# KiCad board 32-channel_current_source.kicad_pcb
title: 32-Channel Programmable Current Source; date: 2023-06-30; rev: 1; company: ETH Zürich; note: Maximilian Stabel; note: Enclosure: Hammond 1590Z150
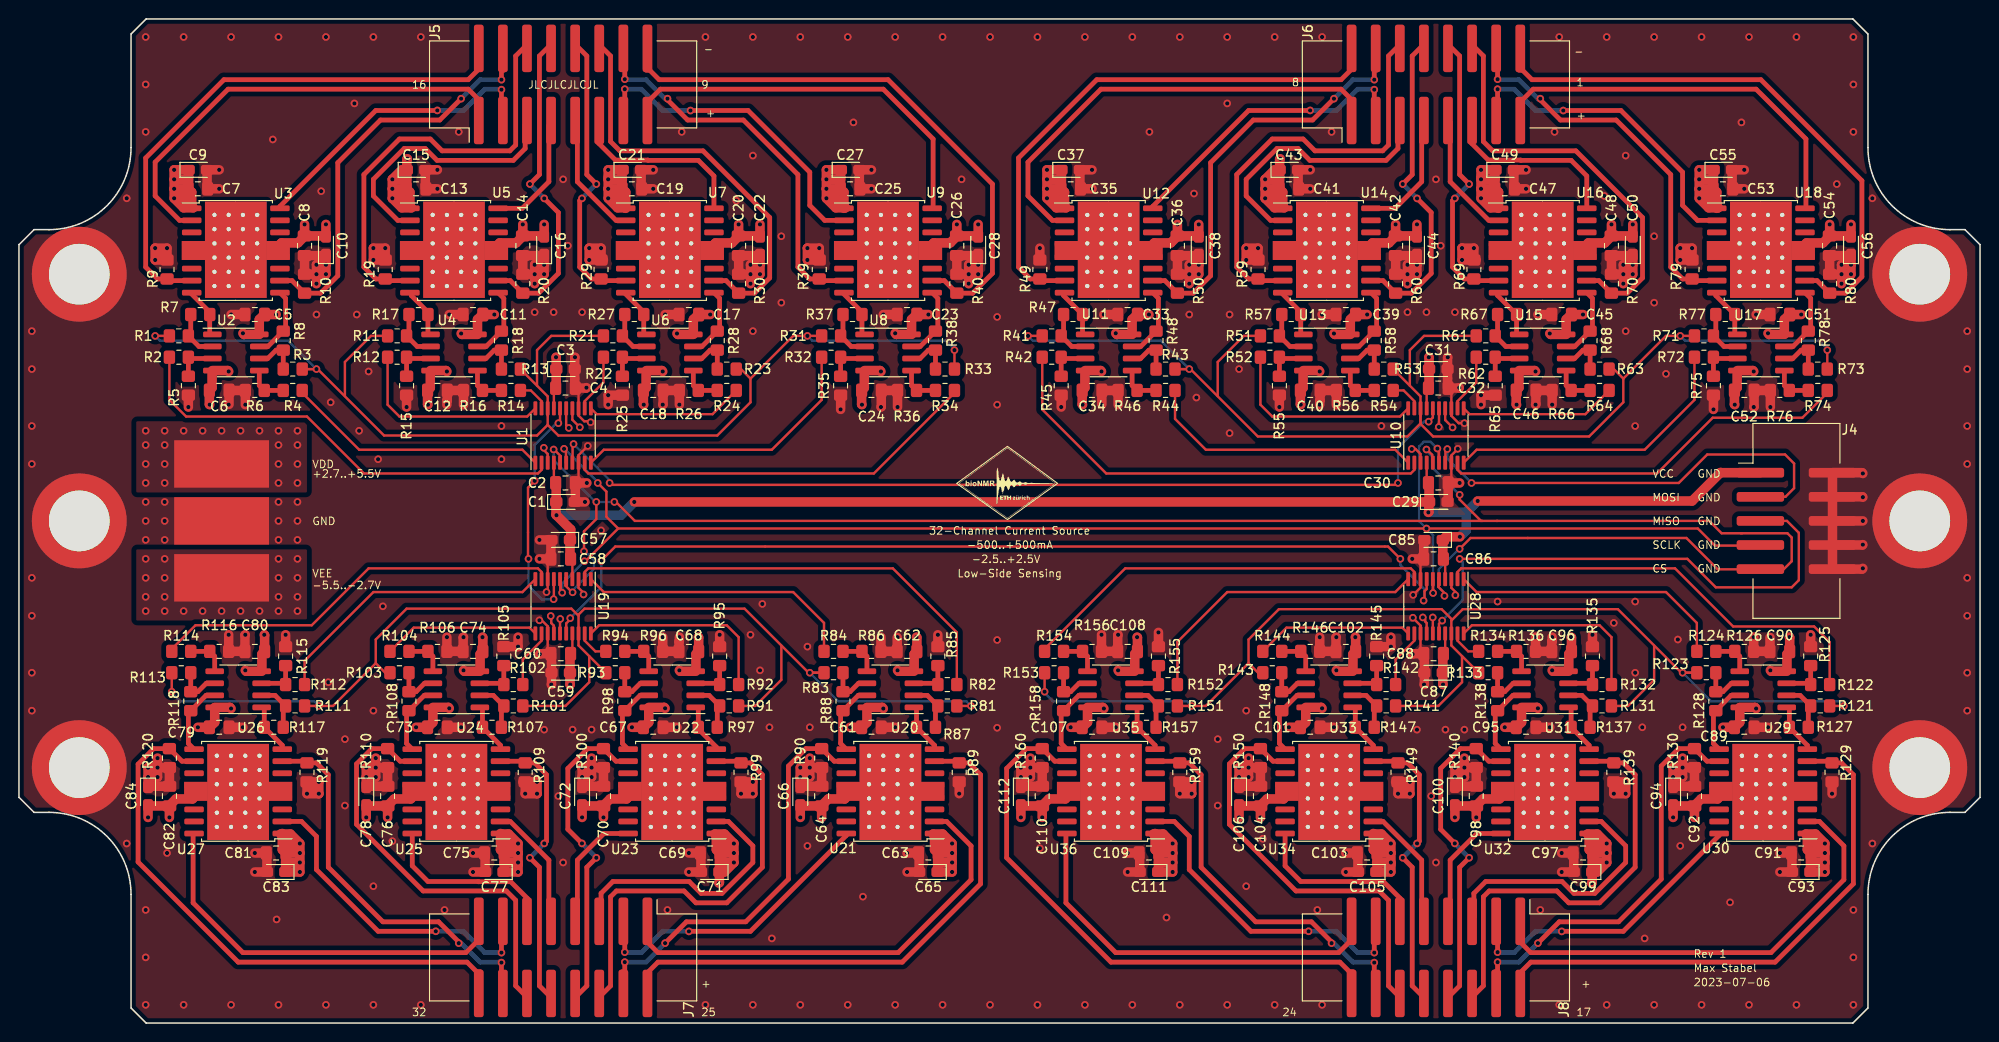
[diagram p0: board, top side]
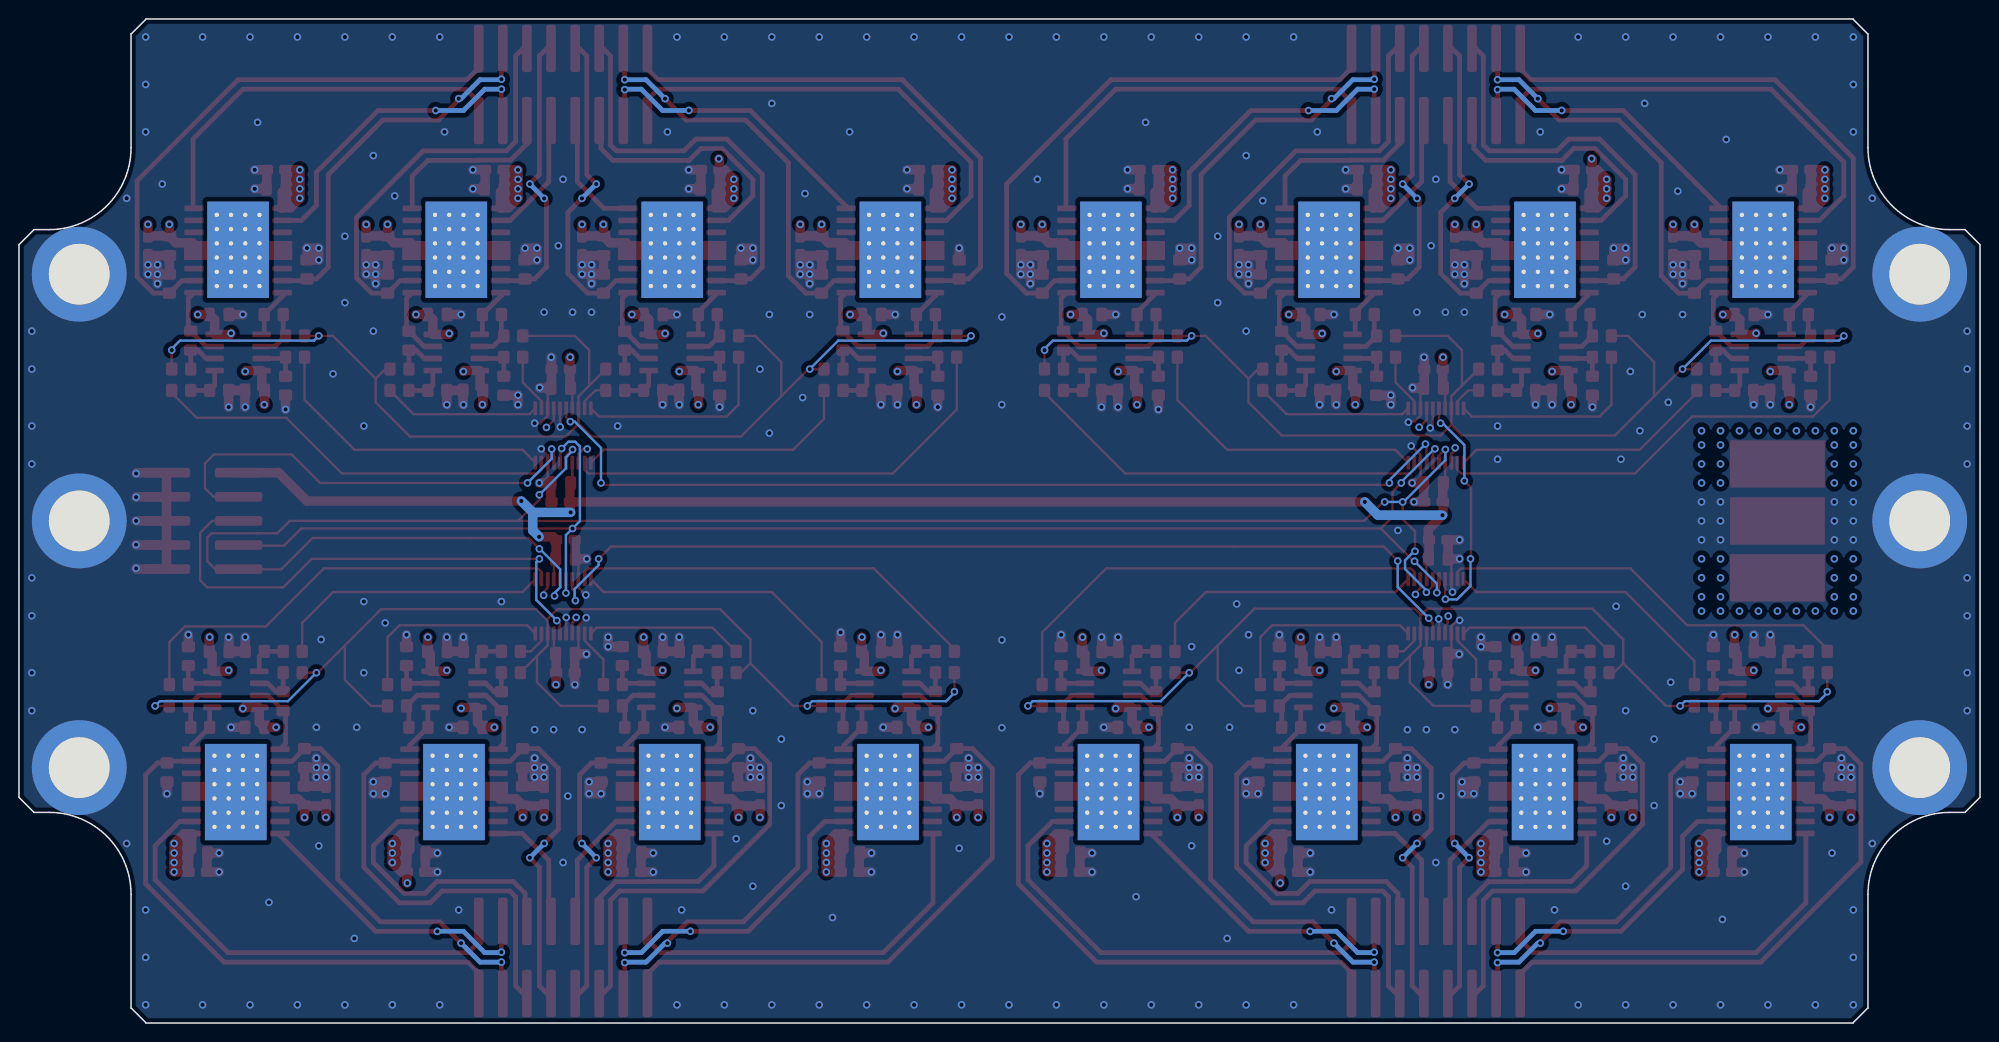
[diagram p1: board, bottom side, seen from below]

Outline 206.71 x 105.82 mm; copper layers: Front, In1.Cu, In2.Cu, Back. Coordinates in mm from the lower left corner of the outline.
Outline path: 0,82.03 1.59,83.62 3.18,83.62 arc(9.28,86.15) 11.81,92.25 11.81,104.23 13.4,105.82 193.31,105.82 194.89,104.23 194.9,92.25 arc(197.42,86.15) 203.53,83.62 205.12,83.62 206.71,82.03 206.71,23.79 205.12,22.2 203.53,22.2 arc(197.42,19.67) 194.9,13.56 194.89,1.59 193.31,0 13.4,0 11.81,1.59 11.81,13.56 arc(9.28,19.67) 3.18,22.2 1.59,22.2 0,23.79 0,82.03
Stack: Front 0.035mm / dielectric 0.1mm FR4 er 4.5 / In1.Cu 0.035mm / dielectric 1.24mm FR4 er 4.5 / In2.Cu 0.035mm / dielectric 0.1mm FR4 er 4.5 / Back 0.035mm

## Placement (name value [footprint] x y rotation side)
C1  10u  [CP_EIA-2012-15_AVX-P_Pad1.30x1.05mm_HandSolder]  57.61 54.92 0 top
C2  100n  [C_0805_2012Metric_Pad1.18x1.45mm_HandSolder]  57.61 56.92 0 top
C3  10u  [CP_EIA-2012-15_AVX-P_Pad1.30x1.05mm_HandSolder]  57.61 68.92 0 top
C4  100n  [C_0805_2012Metric_Pad1.18x1.45mm_HandSolder]  57.61 66.92 0 top
C5  100n  [C_0805_2012Metric_Pad1.18x1.45mm_HandSolder]  24.86 74.67 180 top
C6  100n  [C_0805_2012Metric_Pad1.18x1.45mm_HandSolder]  21.11 66.67 180 top
C7  100n  [C_0805_2012Metric_Pad1.18x1.45mm_HandSolder]  18.86 87.92 0 top
C8  100n  [C_0805_2012Metric_Pad1.18x1.45mm_HandSolder]  30.11 81.92 90 top
C9  10u  [CP_EIA-2012-15_AVX-P_Pad1.30x1.05mm_HandSolder]  18.86 89.92 0 top
C10  10u  [CP_EIA-2012-15_AVX-P_Pad1.30x1.05mm_HandSolder]  32.36 81.92 90 top
C11  100n  [C_0805_2012Metric_Pad1.18x1.45mm_HandSolder]  47.86 74.67 180 top
C12  100n  [C_0805_2012Metric_Pad1.18x1.45mm_HandSolder]  44.11 66.67 180 top
C13  100n  [C_0805_2012Metric_Pad1.18x1.45mm_HandSolder]  41.86 87.92 0 top
C14  100n  [C_0805_2012Metric_Pad1.18x1.45mm_HandSolder]  53.11 81.92 90 top
C15  10u  [CP_EIA-2012-15_AVX-P_Pad1.30x1.05mm_HandSolder]  41.86 89.92 0 top
C16  10u  [CP_EIA-2012-15_AVX-P_Pad1.30x1.05mm_HandSolder]  55.36 81.92 90 top
C17  100n  [C_0805_2012Metric_Pad1.18x1.45mm_HandSolder]  70.61 74.67 180 top
C18  100n  [C_0805_2012Metric_Pad1.18x1.45mm_HandSolder]  66.86 66.67 180 top
C19  100n  [C_0805_2012Metric_Pad1.18x1.45mm_HandSolder]  64.61 87.92 0 top
C20  100n  [C_0805_2012Metric_Pad1.18x1.45mm_HandSolder]  75.86 81.92 90 top
C21  10u  [CP_EIA-2012-15_AVX-P_Pad1.30x1.05mm_HandSolder]  64.61 89.92 0 top
C22  10u  [CP_EIA-2012-15_AVX-P_Pad1.30x1.05mm_HandSolder]  78.11 81.92 90 top
C23  100n  [C_0805_2012Metric_Pad1.18x1.45mm_HandSolder]  93.61 74.67 180 top
C24  100n  [C_0805_2012Metric_Pad1.18x1.45mm_HandSolder]  89.86 66.67 180 top
C25  100n  [C_0805_2012Metric_Pad1.18x1.45mm_HandSolder]  87.61 87.92 0 top
C26  100n  [C_0805_2012Metric_Pad1.18x1.45mm_HandSolder]  98.86 81.92 90 top
C27  10u  [CP_EIA-2012-15_AVX-P_Pad1.30x1.05mm_HandSolder]  87.61 89.92 0 top
C28  10u  [CP_EIA-2012-15_AVX-P_Pad1.30x1.05mm_HandSolder]  101.11 81.92 90 top
C29  10u  [CP_EIA-2012-15_AVX-P_Pad1.30x1.05mm_HandSolder]  149.61 54.92 0 top
C30  100n  [C_0805_2012Metric_Pad1.18x1.45mm_HandSolder]  149.61 56.92 0 top
C31  10u  [CP_EIA-2012-15_AVX-P_Pad1.30x1.05mm_HandSolder]  149.61 68.92 0 top
C32  100n  [C_0805_2012Metric_Pad1.18x1.45mm_HandSolder]  149.61 66.92 0 top
C33  100n  [C_0805_2012Metric_Pad1.18x1.45mm_HandSolder]  116.86 74.67 180 top
C34  100n  [C_0805_2012Metric_Pad1.18x1.45mm_HandSolder]  113.11 66.67 180 top
C35  100n  [C_0805_2012Metric_Pad1.18x1.45mm_HandSolder]  110.86 87.92 0 top
C36  100n  [C_0805_2012Metric_Pad1.18x1.45mm_HandSolder]  122.11 81.92 90 top
C37  10u  [CP_EIA-2012-15_AVX-P_Pad1.30x1.05mm_HandSolder]  110.86 89.92 0 top
C38  10u  [CP_EIA-2012-15_AVX-P_Pad1.30x1.05mm_HandSolder]  124.36 81.92 90 top
C39  100n  [C_0805_2012Metric_Pad1.18x1.45mm_HandSolder]  139.86 74.67 180 top
C40  100n  [C_0805_2012Metric_Pad1.18x1.45mm_HandSolder]  136.11 66.67 180 top
C41  100n  [C_0805_2012Metric_Pad1.18x1.45mm_HandSolder]  133.86 87.92 0 top
C42  100n  [C_0805_2012Metric_Pad1.18x1.45mm_HandSolder]  145.11 81.92 90 top
C43  10u  [CP_EIA-2012-15_AVX-P_Pad1.30x1.05mm_HandSolder]  133.86 89.92 0 top
C44  10u  [CP_EIA-2012-15_AVX-P_Pad1.30x1.05mm_HandSolder]  147.36 81.92 90 top
C45  100n  [C_0805_2012Metric_Pad1.18x1.45mm_HandSolder]  162.61 74.67 180 top
C46  100n  [C_0805_2012Metric_Pad1.18x1.45mm_HandSolder]  158.86 66.67 180 top
C47  100n  [C_0805_2012Metric_Pad1.18x1.45mm_HandSolder]  156.61 87.92 0 top
C48  100n  [C_0805_2012Metric_Pad1.18x1.45mm_HandSolder]  167.86 81.92 90 top
C49  10u  [CP_EIA-2012-15_AVX-P_Pad1.30x1.05mm_HandSolder]  156.61 89.92 0 top
C50  10u  [CP_EIA-2012-15_AVX-P_Pad1.30x1.05mm_HandSolder]  170.11 81.92 90 top
C51  100n  [C_0805_2012Metric_Pad1.18x1.45mm_HandSolder]  185.61 74.67 180 top
C52  100n  [C_0805_2012Metric_Pad1.18x1.45mm_HandSolder]  181.86 66.67 180 top
C53  100n  [C_0805_2012Metric_Pad1.18x1.45mm_HandSolder]  179.61 87.92 0 top
C54  100n  [C_0805_2012Metric_Pad1.18x1.45mm_HandSolder]  190.86 81.92 90 top
C55  10u  [CP_EIA-2012-15_AVX-P_Pad1.30x1.05mm_HandSolder]  179.61 89.92 0 top
C56  10u  [CP_EIA-2012-15_AVX-P_Pad1.30x1.05mm_HandSolder]  193.11 81.92 90 top
C57  10u  [CP_EIA-2012-15_AVX-P_Pad1.30x1.05mm_HandSolder]  57.11 50.92 180 top
C58  100n  [C_0805_2012Metric_Pad1.18x1.45mm_HandSolder]  57.11 48.92 180 top
C59  10u  [CP_EIA-2012-15_AVX-P_Pad1.30x1.05mm_HandSolder]  57.11 36.92 180 top
C60  100n  [C_0805_2012Metric_Pad1.18x1.45mm_HandSolder]  57.11 38.92 180 top
C61  100n  [C_0805_2012Metric_Pad1.18x1.45mm_HandSolder]  89.86 31.17 0 top
C62  100n  [C_0805_2012Metric_Pad1.18x1.45mm_HandSolder]  93.61 39.17 0 top
C63  100n  [C_0805_2012Metric_Pad1.18x1.45mm_HandSolder]  95.86 17.92 180 top
C64  100n  [C_0805_2012Metric_Pad1.18x1.45mm_HandSolder]  84.61 23.92 270 top
C65  10u  [CP_EIA-2012-15_AVX-P_Pad1.30x1.05mm_HandSolder]  95.86 15.92 180 top
C66  10u  [CP_EIA-2012-15_AVX-P_Pad1.30x1.05mm_HandSolder]  82.36 23.92 270 top
C67  100n  [C_0805_2012Metric_Pad1.18x1.45mm_HandSolder]  66.86 31.17 0 top
C68  100n  [C_0805_2012Metric_Pad1.18x1.45mm_HandSolder]  70.61 39.17 0 top
C69  100n  [C_0805_2012Metric_Pad1.18x1.45mm_HandSolder]  72.86 17.92 180 top
C70  100n  [C_0805_2012Metric_Pad1.18x1.45mm_HandSolder]  61.61 23.92 270 top
C71  10u  [CP_EIA-2012-15_AVX-P_Pad1.30x1.05mm_HandSolder]  72.86 15.92 180 top
C72  10u  [CP_EIA-2012-15_AVX-P_Pad1.30x1.05mm_HandSolder]  59.36 23.92 270 top
C73  100n  [C_0805_2012Metric_Pad1.18x1.45mm_HandSolder]  44.11 31.17 0 top
C74  100n  [C_0805_2012Metric_Pad1.18x1.45mm_HandSolder]  47.86 39.17 0 top
C75  100n  [C_0805_2012Metric_Pad1.18x1.45mm_HandSolder]  50.11 17.92 180 top
C76  100n  [C_0805_2012Metric_Pad1.18x1.45mm_HandSolder]  38.86 23.92 270 top
C77  10u  [CP_EIA-2012-15_AVX-P_Pad1.30x1.05mm_HandSolder]  50.11 15.92 180 top
C78  10u  [CP_EIA-2012-15_AVX-P_Pad1.30x1.05mm_HandSolder]  36.61 23.92 270 top
C79  100n  [C_0805_2012Metric_Pad1.18x1.45mm_HandSolder]  21.11 31.17 0 top
C80  100n  [C_0805_2012Metric_Pad1.18x1.45mm_HandSolder]  24.86 39.17 0 top
C81  100n  [C_0805_2012Metric_Pad1.18x1.45mm_HandSolder]  27.11 17.92 180 top
C82  100n  [C_0805_2012Metric_Pad1.18x1.45mm_HandSolder]  15.86 23.92 270 top
C83  10u  [CP_EIA-2012-15_AVX-P_Pad1.30x1.05mm_HandSolder]  27.11 15.92 180 top
C84  10u  [CP_EIA-2012-15_AVX-P_Pad1.30x1.05mm_HandSolder]  13.61 23.92 270 top
C85  10u  [CP_EIA-2012-15_AVX-P_Pad1.30x1.05mm_HandSolder]  149.11 50.92 180 top
C86  100n  [C_0805_2012Metric_Pad1.18x1.45mm_HandSolder]  149.11 48.92 180 top
C87  10u  [CP_EIA-2012-15_AVX-P_Pad1.30x1.05mm_HandSolder]  149.11 36.92 180 top
C88  100n  [C_0805_2012Metric_Pad1.18x1.45mm_HandSolder]  149.11 38.92 180 top
C89  100n  [C_0805_2012Metric_Pad1.18x1.45mm_HandSolder]  181.86 31.17 0 top
C90  100n  [C_0805_2012Metric_Pad1.18x1.45mm_HandSolder]  185.61 39.17 0 top
C91  100n  [C_0805_2012Metric_Pad1.18x1.45mm_HandSolder]  187.86 17.92 180 top
C92  100n  [C_0805_2012Metric_Pad1.18x1.45mm_HandSolder]  176.61 23.92 270 top
C93  10u  [CP_EIA-2012-15_AVX-P_Pad1.30x1.05mm_HandSolder]  187.86 15.92 180 top
C94  10u  [CP_EIA-2012-15_AVX-P_Pad1.30x1.05mm_HandSolder]  174.36 23.92 270 top
C95  100n  [C_0805_2012Metric_Pad1.18x1.45mm_HandSolder]  158.86 31.17 0 top
C96  100n  [C_0805_2012Metric_Pad1.18x1.45mm_HandSolder]  162.61 39.17 0 top
C97  100n  [C_0805_2012Metric_Pad1.18x1.45mm_HandSolder]  164.86 17.92 180 top
C98  100n  [C_0805_2012Metric_Pad1.18x1.45mm_HandSolder]  153.61 23.92 270 top
C99  10u  [CP_EIA-2012-15_AVX-P_Pad1.30x1.05mm_HandSolder]  164.86 15.92 180 top
C100  10u  [CP_EIA-2012-15_AVX-P_Pad1.30x1.05mm_HandSolder]  151.36 23.92 270 top
C101  100n  [C_0805_2012Metric_Pad1.18x1.45mm_HandSolder]  136.11 31.17 0 top
C102  100n  [C_0805_2012Metric_Pad1.18x1.45mm_HandSolder]  139.86 39.17 0 top
C103  100n  [C_0805_2012Metric_Pad1.18x1.45mm_HandSolder]  142.11 17.92 180 top
C104  100n  [C_0805_2012Metric_Pad1.18x1.45mm_HandSolder]  130.86 23.92 270 top
C105  10u  [CP_EIA-2012-15_AVX-P_Pad1.30x1.05mm_HandSolder]  142.11 15.92 180 top
C106  10u  [CP_EIA-2012-15_AVX-P_Pad1.30x1.05mm_HandSolder]  128.61 23.92 270 top
C107  100n  [C_0805_2012Metric_Pad1.18x1.45mm_HandSolder]  113.11 31.17 0 top
C108  100n  [C_0805_2012Metric_Pad1.18x1.45mm_HandSolder]  116.86 39.17 0 top
C109  100n  [C_0805_2012Metric_Pad1.18x1.45mm_HandSolder]  119.11 17.92 180 top
C110  100n  [C_0805_2012Metric_Pad1.18x1.45mm_HandSolder]  107.86 23.92 270 top
C111  10u  [CP_EIA-2012-15_AVX-P_Pad1.30x1.05mm_HandSolder]  119.11 15.92 180 top
C112  10u  [CP_EIA-2012-15_AVX-P_Pad1.30x1.05mm_HandSolder]  105.61 23.92 270 top
G***  -  [LOGO]  104.16 56.92 0 top
H1  MountingHole_Pad  [MountingHole_6.4mm_M6_ISO14580_Pad]  6.36 78.92 0 top
H2  MountingHole_Pad  [MountingHole_6.4mm_M6_ISO14580_Pad]  200.36 78.92 0 top
H3  MountingHole_Pad  [MountingHole_6.4mm_M6_ISO14580_Pad]  6.36 26.92 0 top
H4  MountingHole_Pad  [MountingHole_6.4mm_M6_ISO14580_Pad]  200.36 26.92 0 top
H5  MountingHole_Pad  [MountingHole_6.4mm_M6_ISO14580_Pad]  6.36 52.92 0 top
H6  MountingHole_Pad  [MountingHole_6.4mm_M6_ISO14580_Pad]  200.36 52.92 0 top
J1  Conn_01x01  [SolderWirePad_1x01_SMD_5x10mm]  21.36 58.92 270 top
J2  Conn_01x01  [SolderWirePad_1x01_SMD_5x10mm]  21.36 52.92 270 top
J3  Conn_01x01  [SolderWirePad_1x01_SMD_5x10mm]  21.36 46.92 270 top
J4  Conn_02x05_Odd_Even  [IDC-Header_2x05_P2.54mm_Vertical_SMD]  187.36 52.92 0 top
J5  Conn_02x08_Odd_Even  [IDC-Header_2x08_P2.54mm_Vertical_SMD]  57.36 98.92 90 top
J6  Conn_02x08_Odd_Even  [IDC-Header_2x08_P2.54mm_Vertical_SMD]  149.36 98.92 90 top
J7  Conn_02x08_Odd_Even  [IDC-Header_2x08_P2.54mm_Vertical_SMD]  57.36 6.92 270 top
J8  Conn_02x08_Odd_Even  [IDC-Header_2x08_P2.54mm_Vertical_SMD]  149.36 6.92 270 top
R1  10k  [R_0805_2012Metric_Pad1.20x1.40mm_HandSolder]  16.86 72.42 0 top
R2  2k  [R_0805_2012Metric_Pad1.20x1.40mm_HandSolder]  16.86 70.17 0 top
R3  10k  [R_0805_2012Metric_Pad1.20x1.40mm_HandSolder]  28.86 68.92 180 top
R4  2k  [R_0805_2012Metric_Pad1.20x1.40mm_HandSolder]  28.86 66.67 180 top
R5  1k  [R_0805_2012Metric_Pad1.20x1.40mm_HandSolder]  17.86 67.17 270 top
R6  1k  [R_0805_2012Metric_Pad1.20x1.40mm_HandSolder]  24.86 66.67 180 top
R7  2k  [R_0805_2012Metric_Pad1.20x1.40mm_HandSolder]  19.11 74.67 0 top
R8  2k  [R_0805_2012Metric_Pad1.20x1.40mm_HandSolder]  27.86 71.92 90 top
R9  1  [R_0805_2012Metric_Pad1.20x1.40mm_HandSolder]  15.61 79.42 90 top
R10  1  [R_0805_2012Metric_Pad1.20x1.40mm_HandSolder]  30.11 77.92 90 top
R11  10k  [R_0805_2012Metric_Pad1.20x1.40mm_HandSolder]  39.86 72.42 0 top
R12  2k  [R_0805_2012Metric_Pad1.20x1.40mm_HandSolder]  39.86 70.17 0 top
R13  10k  [R_0805_2012Metric_Pad1.20x1.40mm_HandSolder]  51.86 68.92 180 top
R14  2k  [R_0805_2012Metric_Pad1.20x1.40mm_HandSolder]  51.86 66.67 180 top
R15  1k  [R_0805_2012Metric_Pad1.20x1.40mm_HandSolder]  40.86 67.17 270 top
R16  1k  [R_0805_2012Metric_Pad1.20x1.40mm_HandSolder]  47.86 66.67 180 top
R17  2k  [R_0805_2012Metric_Pad1.20x1.40mm_HandSolder]  42.11 74.67 0 top
R18  2k  [R_0805_2012Metric_Pad1.20x1.40mm_HandSolder]  50.86 71.92 90 top
R19  1  [R_0805_2012Metric_Pad1.20x1.40mm_HandSolder]  38.61 79.42 90 top
R20  1  [R_0805_2012Metric_Pad1.20x1.40mm_HandSolder]  53.11 77.92 90 top
R21  10k  [R_0805_2012Metric_Pad1.20x1.40mm_HandSolder]  62.61 72.42 0 top
R22  2k  [R_0805_2012Metric_Pad1.20x1.40mm_HandSolder]  62.61 70.17 0 top
R23  10k  [R_0805_2012Metric_Pad1.20x1.40mm_HandSolder]  74.61 68.92 180 top
R24  2k  [R_0805_2012Metric_Pad1.20x1.40mm_HandSolder]  74.61 66.67 180 top
R25  1k  [R_0805_2012Metric_Pad1.20x1.40mm_HandSolder]  63.61 67.17 270 top
R26  1k  [R_0805_2012Metric_Pad1.20x1.40mm_HandSolder]  70.61 66.67 180 top
R27  2k  [R_0805_2012Metric_Pad1.20x1.40mm_HandSolder]  64.86 74.67 0 top
R28  2k  [R_0805_2012Metric_Pad1.20x1.40mm_HandSolder]  73.61 71.92 90 top
R29  1  [R_0805_2012Metric_Pad1.20x1.40mm_HandSolder]  61.36 79.42 90 top
R30  1  [R_0805_2012Metric_Pad1.20x1.40mm_HandSolder]  75.86 77.92 90 top
R31  10k  [R_0805_2012Metric_Pad1.20x1.40mm_HandSolder]  85.61 72.42 0 top
R32  2k  [R_0805_2012Metric_Pad1.20x1.40mm_HandSolder]  85.61 70.17 0 top
R33  10k  [R_0805_2012Metric_Pad1.20x1.40mm_HandSolder]  97.61 68.92 180 top
R34  2k  [R_0805_2012Metric_Pad1.20x1.40mm_HandSolder]  97.61 66.67 180 top
R35  1k  [R_0805_2012Metric_Pad1.20x1.40mm_HandSolder]  86.61 67.17 270 top
R36  1k  [R_0805_2012Metric_Pad1.20x1.40mm_HandSolder]  93.61 66.67 180 top
R37  2k  [R_0805_2012Metric_Pad1.20x1.40mm_HandSolder]  87.86 74.67 0 top
R38  2k  [R_0805_2012Metric_Pad1.20x1.40mm_HandSolder]  96.61 71.92 90 top
R39  1  [R_0805_2012Metric_Pad1.20x1.40mm_HandSolder]  84.36 79.42 90 top
R40  1  [R_0805_2012Metric_Pad1.20x1.40mm_HandSolder]  98.86 77.92 90 top
R41  10k  [R_0805_2012Metric_Pad1.20x1.40mm_HandSolder]  108.86 72.42 0 top
R42  2k  [R_0805_2012Metric_Pad1.20x1.40mm_HandSolder]  108.86 70.17 0 top
R43  10k  [R_0805_2012Metric_Pad1.20x1.40mm_HandSolder]  120.86 68.92 180 top
R44  2k  [R_0805_2012Metric_Pad1.20x1.40mm_HandSolder]  120.86 66.67 180 top
R45  1k  [R_0805_2012Metric_Pad1.20x1.40mm_HandSolder]  109.86 67.17 270 top
R46  1k  [R_0805_2012Metric_Pad1.20x1.40mm_HandSolder]  116.86 66.67 180 top
R47  2k  [R_0805_2012Metric_Pad1.20x1.40mm_HandSolder]  111.11 74.67 0 top
R48  2k  [R_0805_2012Metric_Pad1.20x1.40mm_HandSolder]  119.86 71.92 90 top
R49  1  [R_0805_2012Metric_Pad1.20x1.40mm_HandSolder]  107.61 79.42 90 top
R50  1  [R_0805_2012Metric_Pad1.20x1.40mm_HandSolder]  122.11 77.92 90 top
R51  10k  [R_0805_2012Metric_Pad1.20x1.40mm_HandSolder]  131.86 72.42 0 top
R52  2k  [R_0805_2012Metric_Pad1.20x1.40mm_HandSolder]  131.86 70.17 0 top
R53  10k  [R_0805_2012Metric_Pad1.20x1.40mm_HandSolder]  143.86 68.92 180 top
R54  2k  [R_0805_2012Metric_Pad1.20x1.40mm_HandSolder]  143.86 66.67 180 top
R55  1k  [R_0805_2012Metric_Pad1.20x1.40mm_HandSolder]  132.86 67.17 270 top
R56  1k  [R_0805_2012Metric_Pad1.20x1.40mm_HandSolder]  139.86 66.67 180 top
R57  2k  [R_0805_2012Metric_Pad1.20x1.40mm_HandSolder]  134.11 74.67 0 top
R58  2k  [R_0805_2012Metric_Pad1.20x1.40mm_HandSolder]  142.86 71.92 90 top
R59  1  [R_0805_2012Metric_Pad1.20x1.40mm_HandSolder]  130.61 79.42 90 top
R60  1  [R_0805_2012Metric_Pad1.20x1.40mm_HandSolder]  145.11 77.92 90 top
R61  10k  [R_0805_2012Metric_Pad1.20x1.40mm_HandSolder]  154.61 72.42 0 top
R62  2k  [R_0805_2012Metric_Pad1.20x1.40mm_HandSolder]  154.61 70.17 0 top
R63  10k  [R_0805_2012Metric_Pad1.20x1.40mm_HandSolder]  166.61 68.92 180 top
R64  2k  [R_0805_2012Metric_Pad1.20x1.40mm_HandSolder]  166.61 66.67 180 top
R65  1k  [R_0805_2012Metric_Pad1.20x1.40mm_HandSolder]  155.61 67.17 270 top
R66  1k  [R_0805_2012Metric_Pad1.20x1.40mm_HandSolder]  162.61 66.67 180 top
R67  2k  [R_0805_2012Metric_Pad1.20x1.40mm_HandSolder]  156.86 74.67 0 top
R68  2k  [R_0805_2012Metric_Pad1.20x1.40mm_HandSolder]  165.61 71.92 90 top
R69  1  [R_0805_2012Metric_Pad1.20x1.40mm_HandSolder]  153.36 79.42 90 top
R70  1  [R_0805_2012Metric_Pad1.20x1.40mm_HandSolder]  167.86 77.92 90 top
R71  10k  [R_0805_2012Metric_Pad1.20x1.40mm_HandSolder]  177.61 72.42 0 top
R72  2k  [R_0805_2012Metric_Pad1.20x1.40mm_HandSolder]  177.61 70.17 0 top
R73  10k  [R_0805_2012Metric_Pad1.20x1.40mm_HandSolder]  189.61 68.92 180 top
R74  2k  [R_0805_2012Metric_Pad1.20x1.40mm_HandSolder]  189.61 66.67 180 top
R75  1k  [R_0805_2012Metric_Pad1.20x1.40mm_HandSolder]  178.61 67.17 270 top
R76  1k  [R_0805_2012Metric_Pad1.20x1.40mm_HandSolder]  185.61 66.67 180 top
R77  2k  [R_0805_2012Metric_Pad1.20x1.40mm_HandSolder]  179.86 74.67 0 top
R78  2k  [R_0805_2012Metric_Pad1.20x1.40mm_HandSolder]  188.61 71.92 90 top
R79  1  [R_0805_2012Metric_Pad1.20x1.40mm_HandSolder]  176.36 79.42 90 top
R80  1  [R_0805_2012Metric_Pad1.20x1.40mm_HandSolder]  190.86 77.92 90 top
R81  10k  [R_0805_2012Metric_Pad1.20x1.40mm_HandSolder]  97.86 33.42 180 top
R82  2k  [R_0805_2012Metric_Pad1.20x1.40mm_HandSolder]  97.86 35.67 180 top
R83  10k  [R_0805_2012Metric_Pad1.20x1.40mm_HandSolder]  85.86 36.92 0 top
R84  2k  [R_0805_2012Metric_Pad1.20x1.40mm_HandSolder]  85.86 39.17 0 top
R85  1k  [R_0805_2012Metric_Pad1.20x1.40mm_HandSolder]  96.86 38.67 90 top
R86  1k  [R_0805_2012Metric_Pad1.20x1.40mm_HandSolder]  89.86 39.17 0 top
R87  2k  [R_0805_2012Metric_Pad1.20x1.40mm_HandSolder]  95.61 31.17 180 top
R88  2k  [R_0805_2012Metric_Pad1.20x1.40mm_HandSolder]  86.86 33.92 270 top
R89  1  [R_0805_2012Metric_Pad1.20x1.40mm_HandSolder]  99.11 26.42 270 top
R90  1  [R_0805_2012Metric_Pad1.20x1.40mm_HandSolder]  84.61 27.92 270 top
R91  10k  [R_0805_2012Metric_Pad1.20x1.40mm_HandSolder]  74.86 33.42 180 top
R92  2k  [R_0805_2012Metric_Pad1.20x1.40mm_HandSolder]  74.86 35.67 180 top
R93  10k  [R_0805_2012Metric_Pad1.20x1.40mm_HandSolder]  62.86 36.92 0 top
R94  2k  [R_0805_2012Metric_Pad1.20x1.40mm_HandSolder]  62.86 39.17 0 top
R95  1k  [R_0805_2012Metric_Pad1.20x1.40mm_HandSolder]  73.86 38.67 90 top
R96  1k  [R_0805_2012Metric_Pad1.20x1.40mm_HandSolder]  66.86 39.17 0 top
R97  2k  [R_0805_2012Metric_Pad1.20x1.40mm_HandSolder]  72.61 31.17 180 top
R98  2k  [R_0805_2012Metric_Pad1.20x1.40mm_HandSolder]  63.86 33.92 270 top
R99  1  [R_0805_2012Metric_Pad1.20x1.40mm_HandSolder]  76.11 26.42 270 top
R100  1  [R_0805_2012Metric_Pad1.20x1.40mm_HandSolder]  61.61 27.92 270 top
R101  10k  [R_0805_2012Metric_Pad1.20x1.40mm_HandSolder]  52.11 33.42 180 top
R102  2k  [R_0805_2012Metric_Pad1.20x1.40mm_HandSolder]  52.11 35.67 180 top
R103  10k  [R_0805_2012Metric_Pad1.20x1.40mm_HandSolder]  40.11 36.92 0 top
R104  2k  [R_0805_2012Metric_Pad1.20x1.40mm_HandSolder]  40.11 39.17 0 top
R105  1k  [R_0805_2012Metric_Pad1.20x1.40mm_HandSolder]  51.11 38.67 90 top
R106  1k  [R_0805_2012Metric_Pad1.20x1.40mm_HandSolder]  44.11 39.17 0 top
R107  2k  [R_0805_2012Metric_Pad1.20x1.40mm_HandSolder]  49.86 31.17 180 top
R108  2k  [R_0805_2012Metric_Pad1.20x1.40mm_HandSolder]  41.11 33.92 270 top
R109  1  [R_0805_2012Metric_Pad1.20x1.40mm_HandSolder]  53.36 26.42 270 top
R110  1  [R_0805_2012Metric_Pad1.20x1.40mm_HandSolder]  38.86 27.92 270 top
R111  10k  [R_0805_2012Metric_Pad1.20x1.40mm_HandSolder]  29.11 33.42 180 top
R112  2k  [R_0805_2012Metric_Pad1.20x1.40mm_HandSolder]  29.11 35.67 180 top
R113  10k  [R_0805_2012Metric_Pad1.20x1.40mm_HandSolder]  17.11 36.92 0 top
R114  2k  [R_0805_2012Metric_Pad1.20x1.40mm_HandSolder]  17.11 39.17 0 top
R115  1k  [R_0805_2012Metric_Pad1.20x1.40mm_HandSolder]  28.11 38.67 90 top
R116  1k  [R_0805_2012Metric_Pad1.20x1.40mm_HandSolder]  21.11 39.17 0 top
R117  2k  [R_0805_2012Metric_Pad1.20x1.40mm_HandSolder]  26.86 31.17 180 top
R118  2k  [R_0805_2012Metric_Pad1.20x1.40mm_HandSolder]  18.11 33.92 270 top
R119  1  [R_0805_2012Metric_Pad1.20x1.40mm_HandSolder]  30.36 26.42 270 top
R120  1  [R_0805_2012Metric_Pad1.20x1.40mm_HandSolder]  15.86 27.92 270 top
R121  10k  [R_0805_2012Metric_Pad1.20x1.40mm_HandSolder]  189.86 33.42 180 top
R122  2k  [R_0805_2012Metric_Pad1.20x1.40mm_HandSolder]  189.86 35.67 180 top
R123  10k  [R_0805_2012Metric_Pad1.20x1.40mm_HandSolder]  177.86 36.92 0 top
R124  2k  [R_0805_2012Metric_Pad1.20x1.40mm_HandSolder]  177.86 39.17 0 top
R125  1k  [R_0805_2012Metric_Pad1.20x1.40mm_HandSolder]  188.86 38.67 90 top
R126  1k  [R_0805_2012Metric_Pad1.20x1.40mm_HandSolder]  181.86 39.17 0 top
R127  2k  [R_0805_2012Metric_Pad1.20x1.40mm_HandSolder]  187.61 31.17 180 top
R128  2k  [R_0805_2012Metric_Pad1.20x1.40mm_HandSolder]  178.86 33.92 270 top
R129  1  [R_0805_2012Metric_Pad1.20x1.40mm_HandSolder]  191.11 26.42 270 top
R130  1  [R_0805_2012Metric_Pad1.20x1.40mm_HandSolder]  176.61 27.92 270 top
R131  10k  [R_0805_2012Metric_Pad1.20x1.40mm_HandSolder]  166.86 33.42 180 top
R132  2k  [R_0805_2012Metric_Pad1.20x1.40mm_HandSolder]  166.86 35.67 180 top
R133  10k  [R_0805_2012Metric_Pad1.20x1.40mm_HandSolder]  154.86 36.92 0 top
R134  2k  [R_0805_2012Metric_Pad1.20x1.40mm_HandSolder]  154.86 39.17 0 top
R135  1k  [R_0805_2012Metric_Pad1.20x1.40mm_HandSolder]  165.86 38.67 90 top
R136  1k  [R_0805_2012Metric_Pad1.20x1.40mm_HandSolder]  158.86 39.17 0 top
R137  2k  [R_0805_2012Metric_Pad1.20x1.40mm_HandSolder]  164.61 31.17 180 top
R138  2k  [R_0805_2012Metric_Pad1.20x1.40mm_HandSolder]  155.86 33.92 270 top
R139  1  [R_0805_2012Metric_Pad1.20x1.40mm_HandSolder]  168.11 26.42 270 top
R140  1  [R_0805_2012Metric_Pad1.20x1.40mm_HandSolder]  153.61 27.92 270 top
R141  10k  [R_0805_2012Metric_Pad1.20x1.40mm_HandSolder]  144.11 33.42 180 top
R142  2k  [R_0805_2012Metric_Pad1.20x1.40mm_HandSolder]  144.11 35.67 180 top
R143  10k  [R_0805_2012Metric_Pad1.20x1.40mm_HandSolder]  132.11 36.92 0 top
R144  2k  [R_0805_2012Metric_Pad1.20x1.40mm_HandSolder]  132.11 39.17 0 top
R145  1k  [R_0805_2012Metric_Pad1.20x1.40mm_HandSolder]  143.11 38.67 90 top
R146  1k  [R_0805_2012Metric_Pad1.20x1.40mm_HandSolder]  136.11 39.17 0 top
R147  2k  [R_0805_2012Metric_Pad1.20x1.40mm_HandSolder]  141.86 31.17 180 top
R148  2k  [R_0805_2012Metric_Pad1.20x1.40mm_HandSolder]  133.11 33.92 270 top
R149  1  [R_0805_2012Metric_Pad1.20x1.40mm_HandSolder]  145.36 26.42 270 top
R150  1  [R_0805_2012Metric_Pad1.20x1.40mm_HandSolder]  130.86 27.92 270 top
R151  10k  [R_0805_2012Metric_Pad1.20x1.40mm_HandSolder]  121.11 33.42 180 top
R152  2k  [R_0805_2012Metric_Pad1.20x1.40mm_HandSolder]  121.11 35.67 180 top
R153  10k  [R_0805_2012Metric_Pad1.20x1.40mm_HandSolder]  109.11 36.92 0 top
R154  2k  [R_0805_2012Metric_Pad1.20x1.40mm_HandSolder]  109.11 39.17 0 top
R155  1k  [R_0805_2012Metric_Pad1.20x1.40mm_HandSolder]  120.11 38.67 90 top
R156  1k  [R_0805_2012Metric_Pad1.20x1.40mm_HandSolder]  113.11 39.17 0 top
R157  2k  [R_0805_2012Metric_Pad1.20x1.40mm_HandSolder]  118.86 31.17 180 top
R158  2k  [R_0805_2012Metric_Pad1.20x1.40mm_HandSolder]  110.11 33.92 270 top
R159  1  [R_0805_2012Metric_Pad1.20x1.40mm_HandSolder]  122.36 26.42 270 top
R160  1  [R_0805_2012Metric_Pad1.20x1.40mm_HandSolder]  107.86 27.92 270 top
U1  AD5676R  [TSSOP-20_4.4x6.5mm_P0.65mm]  57.36 61.92 90 top
U2  LMV358  [SOIC-8_3.9x4.9mm_P1.27mm]  22.86 70.67 0 top
U3  NCV0372  [SOIC-16W_7.5x10.3mm_P1.27mm_ThermalVias]  22.86 81.42 0 top
U4  LMV358  [SOIC-8_3.9x4.9mm_P1.27mm]  45.86 70.67 0 top
U5  NCV0372  [SOIC-16W_7.5x10.3mm_P1.27mm_ThermalVias]  45.86 81.42 0 top
U6  LMV358  [SOIC-8_3.9x4.9mm_P1.27mm]  68.61 70.67 0 top
U7  NCV0372  [SOIC-16W_7.5x10.3mm_P1.27mm_ThermalVias]  68.61 81.42 0 top
U8  LMV358  [SOIC-8_3.9x4.9mm_P1.27mm]  91.61 70.67 0 top
U9  NCV0372  [SOIC-16W_7.5x10.3mm_P1.27mm_ThermalVias]  91.61 81.42 0 top
U10  AD5676R  [TSSOP-20_4.4x6.5mm_P0.65mm]  149.36 61.92 90 top
U11  LMV358  [SOIC-8_3.9x4.9mm_P1.27mm]  114.86 70.67 0 top
U12  NCV0372  [SOIC-16W_7.5x10.3mm_P1.27mm_ThermalVias]  114.86 81.42 0 top
U13  LMV358  [SOIC-8_3.9x4.9mm_P1.27mm]  137.86 70.67 0 top